# Altium PCB Yukitora.PcbDoc (part 3 of 3)
Units mm, origin at the board's own origin, x right, y up, seen from the top; angles counter-clockwise.
Board outline 101.62 x 182.89 mm, 6 copper layers (Top Layer, Signal Layer 1, Signal Layer 2, Signal Layer 3, Signal Layer 4, Bottom Layer), stack 1.57 mm thick; 321 components, 318 nets, 1422 pads, 221 vias.
Unrouted connection lines stored in the file: 405.
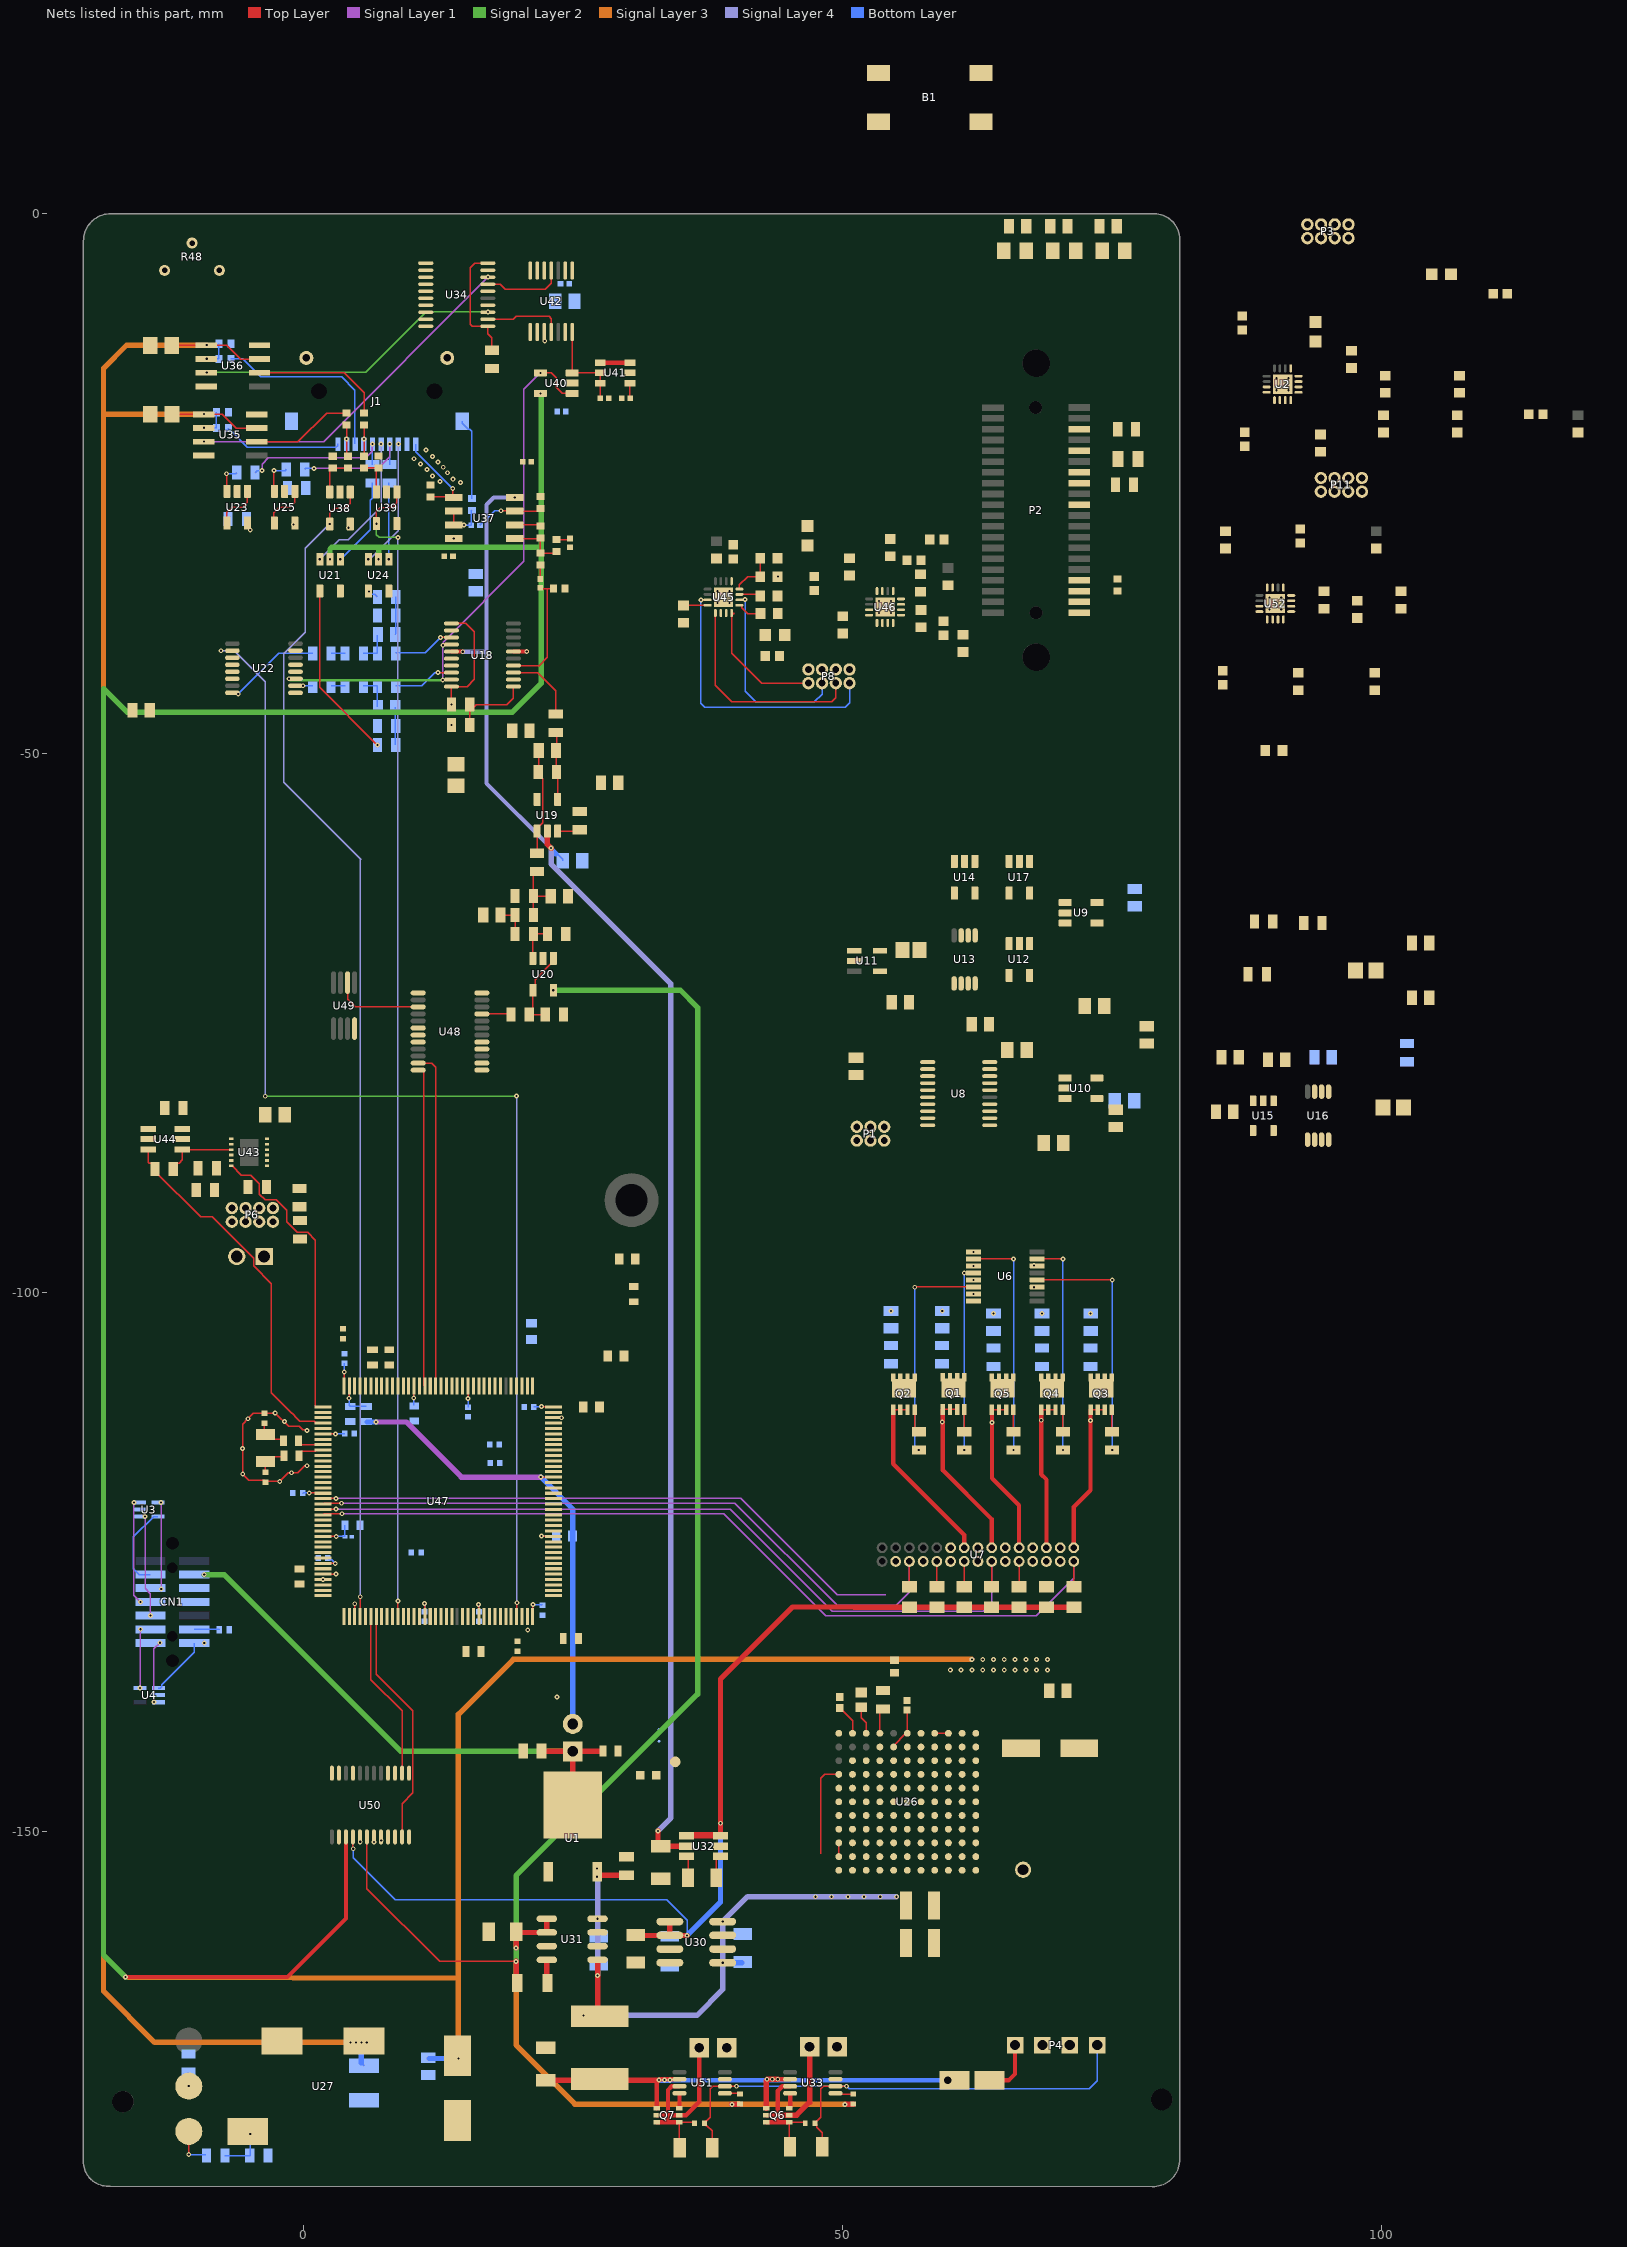
[diagram p7: the nets of this part, all layers, seen from the top]

## Via types
v1: diameter 0.45, hole 0.2, Top Layer to Bottom Layer, tented both sides, 204 vias
v2: diameter 0.5, hole 0.2, Top Layer to Bottom Layer, 16 vias
v3: diameter 1.27, hole 0.711, Top Layer to Bottom Layer, 1 vias

## Nets (pads, with @x,y where several pads share a name; then routed paths per layer and width w, separated by ;. In a path a pad name is that pad's centre, name@x,y a point inside that pad or via, vN(x,y) a via of type N, cw(c..) or ccw(c..) an arc to the next point about the centre after c; other vN are vias at no path point)
3V3: C2.2 CN1.3 JP1.1 R1.2 SB1.1 SB5.1 TP1.1 U1.4 | length 51.6
  Top Layer w0.5: C2.2@22.1,-142.5 R1.2@27.8,-142.5 ; U1.4@25,-147.5 JP1.1@25,-142.52
  Signal Layer 2 w0.5: v1(-9.165,-126.138) -7.312,-126.138 9.07,-142.52 JP1.1@25,-142.52
3V3_PER: SB2.1 SB5.2
3V3_VDD: JP1.2 R5.2 SB10.1 U47.95 | length 43.6
  Top Layer w0.12: v1(22.041,-117.1) U47.95@23.221,-117.1
  Signal Layer 1 w0.5: v1(6.775,-112) 9.575,-112 14.675,-117.1 v1(22.041,-117.1)
  Bottom Layer w0.12: R5.2@5.875,-111.95 R5.2@5.925,-112
  Bottom Layer w0.5: R5.2@5.925,-112 v1(6.775,-112) ; v1(22.041,-117.1) 25,-120.059 JP1.2@25,-139.98
5R: U50.9
"400mV Ref": C33.2 U8.12 U8.19 U11.1 U11.5
+2.5: C36.2 U12.5 U13.7 U16.7 U50.7
  other v1: 6.575,-150.925
+3.3: C73.2 C74.2 C92.1 DS6.1 DS7.1 DS8.1 P2.J2-3 P2.J2-4 R65.2 R69.2 R88.1 R90.2 R97.2 R104.2 R110.2 R115.2 R122.2 U6.1 U14.5 U17.5 U20.5 U23.5 U25.5 U31.1 U31.2 U38.5 U39.5 U43.2 U44.5 U48.16 U50.6 | length 180.4
  Top Layer w0.12: U50.6@5.925,-150.45 5.925,-155.275 12.65,-162 v1(19.75,-162) v1@19.775,-162 ; C74.2@19.775,-163.925 C74.2@19.85,-164 ; v1(50.25,-175.25) v1@50.3,-175.2
  Top Layer w0.5: C74.2@19.775,-163.925 v1@19.775,-162 ; v1@19.775,-160.75 C73.2@19.775,-159.314 ; C73.2@19.839,-159.314 U31.2@22.601,-159.314 U31.1@22.601,-158.044 ; v1(39.75,-175.25) R110.2@40.45,-175.25 ; v1@50.3,-175.25 R69.2@51,-175.25
  Signal Layer 2 w0.5: v1(19.75,-162) v1(19.75,-160.75) 19.75,-154.05 36.575,-137.225 36.575,-73.575 34.975,-71.975 v1(23.2,-71.975)
  Signal Layer 3 w0.5: v1(19.75,-162) 19.75,-169.75 25.2,-175.2 ; 25.2,-175.25 v1(39.75,-175.25) v1(50.25,-175.25)
  other v1: 62.15,-96.232 -4.9,-29.3 4.2,-29.1 -0.9,-28.8
+5: C3.1 C4.2 C30.2 C32.2 C35.2 C49.1 C69.2 C71.2 C80.2 C82.2 C90.2 C91.1 C93.1 C94.2 C97.1 C98.2 C111.1 C112.2 P6.3 R21.1 R22.2 R23.1 R24.2 R25.1 R26.2 R27.1 R33.2 R91.1 U2.6 U8.16 U9.5 U10.5 U11.4 U12.1 U12.3 U19.5 U30.1 U30.2 U32.1 U32.6 U34.16 U37.8 U41.3 U41.4 U42.3 U43.1 U45.6 U46.6 U48.7 U48.8 U50.4 U52.6 | length 114.2
  Top Layer w0.12: U50.4@4.625,-150.45 4.625,-151.525 v1(4.65,-151.55) ; C69.2@30.825,-159.55 C69.2@30.855,-159.58 ; U30.2@34,-159.6 U30.2@34,-159.58 ; 51.05,-129.15 51.075,-129.175
  Top Layer w0.4: U41.4@27.55,-13.8 U41.3@30.3,-13.8
  Top Layer w0.5: C69.2@30.855,-159.58 30.875,-159.6 34,-159.6 v1(35.6,-159.6) ; U30.2@34,-159.58 U30.1@34,-158.31 ; U32.6@38.7,-150.355 35.9,-150.355 36,-150.255 38.7,-150.255 38.7,-135.825 45.375,-129.15 51.05,-129.15 ; 51.075,-129.175 R27.1@56.21,-129.175 R25.1@61.29,-129.175 R23.1@66.37,-129.175 R21.1@71.45,-129.175
  Bottom Layer w0.12: C71.2@34,-159.675 C71.2@34.075,-159.6
  Bottom Layer w0.125: v1(4.65,-151.55) 4.65,-152.375 8.55,-156.275 33.71,-156.275 35.6,-158.165 35.6,-159.324
  Bottom Layer w0.5: C71.2@34.075,-159.6 v1(35.6,-159.6) 38.701,-156.499 v1(38.701,-149.194)
  other v1: 13.975,-30.105 22.4,-11.8
+5R: U18.4 U18.9 U22.11 U40.1 U40.4 | length 51.8
  Top Layer w0.12: v1(12.975,-40) 12.863,-39.887 U18.4@13.712,-39.887 ; v1(22,-14.75) 23.025,-14.75 23.475,-15.2 23.475,-16.075 24.05,-16.65 U40.1@24.95,-16.65
  Signal Layer 1 w0.12: v1(12.95,-43.225) 12.95,-43.136 12.962,-43.123 12.962,-40.012 v1(12.975,-40) 12.975,-39.7 20.475,-32.2 20.475,-16.275 v1(22,-14.75)
  Signal Layer 2 w0.25: v1(-1.3,-43.1) -1.175,-43.225 v1(12.95,-43.225)
+5Ref: C89.2 U40.3 U41.5 U41.6 U42.7 | length 8.7
  Top Layer w0.12: U42.7@24.964,-10.958 24.964,-14.736 U40.3@24.95,-14.75 U41.5@27.55,-14.75 U41.6@27.55,-15.7 C89.2@27.55,-17.097
+12: C54.2 C57.2 C58.2 C62.1 C64.2 C87.1 DS1.1 DS2.1 DS3.1 DS4.1 DS5.1 R59.2 U7.4 U7.8 U7.12 U7.16 U7.20 U18.16 U21.2 U24.2 U26.A1 U26.A2 U26.A3 U26.A4 U26.A5 U26.A6 U26.B1 U26.B2 U26.B3 U26.B4 U26.B5 U26.B6 U26.C1 U26.C2 U26.C3 U26.C4 U26.C5 U26.C6 U26.D1 U27.3 U40.5 U50.3 | length 359.6
  Top Layer w0.12: v1@20.736,-40.575 v1(20.738,-40.573) ; U26.D1@58.553,-140.852 U26.C1@59.823,-140.852
  Top Layer w0.4: v1(-16.45,-163.45) -1.45,-163.45 3.975,-158.025 U50.3@3.975,-150.45 ; U18.16@19.5,-40.575 v1@20.736,-40.575
  Signal Layer 2 w0.5: v1(-16.45,-163.45) -18.5,-161.4 -18.5,-44 -16.3,-46.2 19.4,-46.2 22.089,-43.511 22.089,-30.9 ; v1(2.5,-32.025) 2.5,-31.075 2.675,-30.9 7,-30.9 ; v1(7,-32.025) 7,-30.9 ; v1@22.089,-16.683 22.089,-30.9 ; 7,-30.9 22.089,-30.9
  Signal Layer 3 w0.5: v1(-16.45,-163.45) 14.4,-163.55 ; v1@14.4,-171.1 14.4,-163.55 ; v1(62,-134) 19.5,-134 14.4,-139.1 14.4,-163.55
  Bottom Layer w0.12: C64.2@11.609,-170.925 C64.2@11.684,-171
  Bottom Layer w0.5: C64.2@11.684,-171 v1(14.399,-171)
  other v1: 60,-135 61,-135 62,-135 63,-135 64,-135 65,-135 66,-135 67,-135 68,-135 69,-135 63,-134 64,-134 65,-134 66,-134 67,-134 68,-134 69,-134 64,-101.95 68.5,-101.95 73,-101.95 54.5,-101.7 59.25,-101.7 22,-16.65
-2.5: C42.2 U13.1 U15.5 U16.1 U50.8
  other v1: 7.25,-150.8
-5: C41.2 C51.1 C53.1 C75.2 C85.2 U9.2 U10.2 U15.2 U15.3 U18.5 U19.2 U32.2 U37.4 U50.5 | length 144
  Top Layer w0.12: v1@14.775,-40.575 v1(14.8,-40.6) ; C75.2@32.9,-151.05 C75.2@33.175,-151.325 C75.2@33.195,-151.305
  Top Layer w0.4: U18.5@13.75,-40.575 v1@14.775,-40.575
  Top Layer w0.5: U19.2@22.65,-57.225 22.65,-58.45 v1(23,-58.8) ; C75.2@32.9,-151.05 v1(32.9,-149.9) ; C75.2@33.195,-151.305 U32.2@35.55,-151.305
  Signal Layer 4 w0.4: v1(14.8,-40.6) 17,-40.6 ; v1(19.625,-26.295) 17.68,-26.295 17,-26.975 17,-40.6 ; v1(23,-58.8) 17,-52.8 17,-40.6
  Signal Layer 4 w0.5: v1(23,-58.8) 23,-60.275 34.1,-71.375 34.1,-93.74 34.1,-148.7 v1(32.9,-149.9)
  Bottom Layer w0.12: v1(23,-58.8) 23.063,-58.863 v1@23.063,-58.963 ; 23.418,-59.318 23.56,-59.318 24.075,-59.833 C53.1@24.075,-59.975
  Bottom Layer w0.5: v1@23.063,-58.963 23.418,-59.318
  other v1: 5.3,-150.9
AGND: C14.2 C15.1 C16.2 C17.1 C49.2 C50.1 C51.2 C52.1 C87.2 C88.2 C89.1 C90.1 C91.2 R40.1 R41.1 SB11.2 U20.2 U40.2 U41.2 U42.12 U47.31 U48.6 U49.4 U50.21 U50.23 U50.24
"Arrestment Heater FET": R20.1 U6.2 | length 21.4
  Top Layer w0.12: U6.2@62.15,-96.882 65.844,-96.882 v1(65.862,-96.9)
  Bottom Layer w0.12: v1(65.862,-114.597) v1(65.862,-96.9)
"Arrestment Htr Out": Q5.1 Q5.2 Q5.3 R19.2 U7.10 | length 15.2
  Top Layer w0.12: Q5.1@63.856,-110.864 Q5.2@64.516,-110.864 Q5.3@65.176,-110.864
  Top Layer w0.4: Q5.1@63.856,-110.864 63.856,-117.206 66.37,-119.72 U7.10@66.37,-123.653
  other v1: 63.856,-112.029
"Arrestment Htr_LED": DS5.2 R19.1
ARRESTMENT_OUT1+: P8.7 P11.1 P11.2 U46.3 U52.3
ARRESTMENT_OUT1-: P8.5 P11.3 P11.4 U46.5 U52.5
ARRESTMENT_OUT2+: P8.3 P11.5 P11.6 U46.10 U52.10
ARRESTMENT_OUT2-: P8.1 P11.7 P11.8 U46.8 U52.8
Aux+: D1.1 P4.1 | length 5.3
  Top Layer w0.4: D1.1@63.625,-173 65.428,-173 66,-172.428 P4.1@66,-169.75
BATT: U50.2
Battery_2: C78.2 P5.1 Q6.1 Q6.2 Q6.5 Q6.6 R112.2 U33.7 | length 19.9
  Top Layer w0.12: 43.93,-176.9 44,-176.83 ; C78.2@45.143,-179.187 45.05,-179.094 Q6.1@45.05,-176.9 46.45,-176.9 R112.2@46.55,-177
  Top Layer w0.4: Q6.6@42.95,-176.9 43.93,-176.9 Q6.1@45.05,-176.9 ; Q6.5@42.95,-176.25 44,-176.25 ; 44,-176.83 44,-176.25 ; U33.7@45.15,-173.575 44.425,-173.575 44,-174 44,-176.25
  Top Layer w0.5: 44,-176.25 Q6.2@45.05,-176.25 45.75,-176.25 46.96,-175.04 P5.1@46.96,-169.916
BEAM: C83.2 R81.1 U18.14 | length 11.1
  Top Layer w0.12: U18.14@19.5,-41.875 21.9,-41.875 22.65,-41.125 22.65,-34.75 ; C83.2@22,-34.65 22.1,-34.75 22.65,-34.75 ; R81.1@23.2,-34.75 22.65,-34.75
"Beam Sync Demod Out": C52.2 R33.1 R35.1 R36.2 | length 5.3
  Top Layer w0.12: R36.2@21.35,-65 R33.1@21.35,-63.25 ; R35.1@21.35,-61.325 R33.1@21.35,-63.25 ; C52.2@22.95,-63.25 R33.1@21.35,-63.25
Beam_ADC: R113.1 U48.21 | length 2.7
  Top Layer w0.12: U48.21@16.575,-74.175 19.225,-74.175 R113.1@19.275,-74.225
Beam_In: J1.10 R83.2 U37.5 | length 8.5
  Top Layer w0.12: R83.2@11.8,-26.25 U37.5@13.93,-26.25 ; v1(13.875,-25.475) 13.875,-26.195 U37.5@13.93,-26.25 ; U37.5@13.975,-26.295 U37.5@13.93,-26.25
  Bottom Layer w0.12: J1.10@10.435,-21.348 10.435,-22.035 v1(13.875,-25.475)
  other v1: 14.6,-24.9 12.7,-24.8 13.9,-24.6 12,-24.3 13.4,-24 11.5,-23.7 13,-23.5 10.9,-23.2 12.5,-23 10.3,-22.7 12,-22.5 11.4,-21.9
Beam_mod: R34.2 U18.13 | length 7.1
  Top Layer w0.12: U18.13@19.5,-42.525 21.75,-42.525 23.425,-44.2 23.425,-46.15 23.2,-46.375 R34.2@23.425,-46.375
"Blue LED": P2.J2-14 R63.2
Bluetooth_RXD: P2.J2-18 R67.1
Bluetooth_TXD: P2.J2-16 R65.1 R66.1
"Board1 Heater FET": R18.1 U6.12 | length 22.7
  Top Layer w0.12: U6.12@68.05,-98.832 v1(75.006,-98.832)
  Bottom Layer w0.12: v1(75.006,-114.597) v1(75.006,-98.832)
"Board1 Htr Out": Q3.1 Q3.2 Q3.3 R16.1 U7.2 | length 14.8
  Top Layer w0.12: Q3.1@73,-110.864 Q3.2@73.66,-110.864 Q3.3@74.32,-110.864
  Top Layer w0.4: U7.2@71.45,-123.653 71.45,-119.875 73,-118.325 Q3.1@73,-110.864
  other v1: 73,-111.847
"Board1_Htr LED": DS4.2 R16.2
BOOT0: R4.1 U47.138
"Bottom Force Plate Force": J1.4 R76.2 R86.2 | length 2.9
  Top Layer w0.12: R86.2@5.65,-22.475 v1(5.65,-20.875) R76.2@5.65,-19.575
"Bottom Force Plate Sense": J1.3 R74.2 | length 17.7
  Bottom Layer w0.12: R74.2@-6.7,-13.45 -5.575,-13.45 -3.9,-15.125 3.575,-15.125 4.8,-16.35 J1.3@4.8,-21.313
"Bottom In": U34.12 U42.4 | length 7.3
  Top Layer w0.12: U34.12@17.125,-9.775 19.475,-9.775 19.75,-9.5 22.806,-9.5 23.014,-9.708 U42.4@23.014,-10.958
"Bottom Sense Plate Force": J1.7 R54.1 R56.2 | length 11.4
  Signal Layer 1 w0.12: v1(1,-23.6) 6.97,-23.6 8.035,-22.535 v1(8.035,-21.348)
  Bottom Layer w0.12: R56.2@0.15,-23.7 0.25,-23.6 v1(1,-23.6) ; R54.1@8.035,-23.25 J1.7@8.035,-21.413
"Bottom Sense Plate Sense": J1.8 U24.3 | length 12
  Signal Layer 1 w0.12: v1(6.05,-32.025) v1@6.139,-32.025
  Signal Layer 4 w0.12: v1(6.05,-32.025) 6.175,-32.025 7.319,-30.881 8.835,-29.365 v1(8.835,-21.348)
Bottom_In: R53.1 U18.3 | length 5.8
  Top Layer w0.12: v1(12.75,-39.275) U18.3@13.75,-39.275
  Bottom Layer w0.12: R53.1@8.6,-40.75 8.65,-40.7 11.325,-40.7 v1(12.75,-39.275)
CLK+: P6.6 U43.10
CLK-: P6.8 U43.9
"Conning Tower Heater FET": R13.1 U6.4 | length 17.3
  Top Layer w0.12: v1(61.29,-98.182) U6.4@62.15,-98.182
  Bottom Layer w0.12: v1(61.29,-114.597) v1(61.29,-98.182)
"Conning Tower Htr Out": Q1.1 Q1.2 Q1.3 R12.1 U7.14 | length 16
  Top Layer w0.12: Q1.1@59.31,-110.835 Q1.2@59.97,-110.835 Q1.3@60.63,-110.835
  Top Layer w0.4: Q1.1@59.31,-110.835 59.31,-116.46 63.83,-120.98 U7.14@63.83,-123.653
  other v1: 59.246,-111.984
"Conning Tower Htr_LED": DS2.2 R12.2
Cross_Black: C37.1 P1.3
Cross_Blue: P1.5 U9.1 U9.4
Direction: P6.7 R91.2 R92.2
DTA+: P6.4 U43.11
DTA-: P6.2 U43.12
"Gearbox Heater FET": R14.1 U6.6 | length 20.5
  Top Layer w0.12: v1(56.7,-99.5) 56.718,-99.482 U6.6@62.15,-99.482
  Bottom Layer w0.12: 56.7,-114.55 v1(56.7,-99.5)
  other v1: 57.075,-114.6
"Gearbox Htr Out": Q2.1 Q2.2 Q2.3 R11.1 U7.18 | length 16.8
  Top Layer w0.12: Q2.1@54.7,-110.876 Q2.1@54.712,-110.864 Q2.2@55.372,-110.864 Q2.3@56.032,-110.864
  Top Layer w0.4: Q2.1@54.7,-110.876 54.7,-115.875 61.29,-122.465 U7.18@61.29,-123.653
"Gearbox Htr_LED": DS1.2 R11.2
GND: B1.3 B1.4 C1.1 C2.1 C3.2 C4.1 C5.1 C6.1 C7.2 C8.2 C9.1 C10.1 C13.1 C18.1 C19.1 C20.1 C21.1 C22.1 C23.1 C24.1 C25.1 C26.1 C27.1 C28.1 C30.1 C32.1 C33.1 C35.1 C36.1 C38.1 C39.1 C40.1 C41.1 C42.1 C43.1 C46.1 C47.1 C53.2 C54.1 C57.1 C58.1 C59.1 C60.1 C61.1 C62.2 C63.1 C64.1 C65.1 C69.1 C70.1 C72.1 C73.1 C75.1 C77.1 C79.2 C80.1 C81.1 C82.1 C85.1 C86.1 C92.2 C93.2 C94.1 C95.1 C96.2 C97.2 C98.1 C99.1 C100.2 C110.2 C111.2 C112.1 C113.1 C114.2 CN1.5 CN1.7 LD1.2 P1.1 P1.2 P2.J2-1 P2.J2-2 P4.2 P4.3 P5.2 P6.1 P7.2 P10.2 Q1.5 Q1.6 Q1.7 Q1.8 Q1.9 Q2.5 Q2.6 Q2.7 Q2.8 Q2.9 Q3.5 Q3.6 Q3.7 Q3.8 Q3.9 Q4.5 Q4.6 Q4.7 Q4.8 Q4.9 Q5.5 Q5.6 Q5.7 Q5.8 Q5.9 R2.1 R3.1 R4.2 R6.2 R48.2 R49.1 R50.1 R57.1 R58.1 R60.1 R61.1 R70.1 R73.1 R75.2 R81.2 R82.2 R83.1 R85.1 R87.1 R89.2 R92.1 R93.2 R95.2 R98.1 R100.1 R101.1 R102.1 R107.1 R108.1 R109.1 R116.1 R118.1 R119.1 R120.1 R123.1 R125.1 R126.1 R127.1 R128.2 R129.2 SB11.1 TP2.1 U1.1 U2.7 U2.17 U3.2 U4.2 U5.2 U6.8 U7.3 U7.7 U7.11 U7.15 U7.19 U7.23 U7.27 U8.1 U8.2 U8.3 U8.4 U8.5 U8.6 U8.7 U8.8 U8.9 U8.10 U8.14 U8.17 U11.2 U12.2 U13.3 U13.6 U13.8 U14.2 U15.1 U16.3 U16.6 U16.8 U17.2 U18.2 U18.6 U18.7 U18.12 U21.5 U22.5 U22.6 U22.9 U23.2 U24.5 U25.2 U26.A7 U26.A8 U26.A9 U26.A10 U26.A11 U26.B7 U26.B8 U26.B9 U26.B10 U26.B11 U26.C7 U26.C8 U26.C9 U26.C10 U26.C11 U26.D2 U26.D3 U26.D4 U26.D5 U26.D6 U26.D7 U26.D8 U26.D9 U26.D10 U26.D11 U26.E1 U26.E2 U26.E3 U26.E4 U26.E5 U26.E6 U26.E7 U26.E8 U26.E9 U26.E10 U26.E11 U26.F2 U26.F3 U26.F4 U26.F5 U26.F6 U26.F7 U26.F8 U26.F9 U26.G3 U26.G4 U26.G5 U26.G6 U26.G7 U26.G8 U26.G9 U26.H2 U26.H3 U26.H4 U26.H5 U26.H6 U26.H7 U26.H8 U26.H9 U26.J3 U26.J4 U26.J5 U26.J6 U26.J7 U26.J8 U26.J9 U26.K3 U26.K4 U26.K5 U26.K6 U26.K7 U26.K8 U26.K9 U26.L1 U26.L5 U26.L6 U26.L7 U26.L8 U27.1 U27.4 U30.3 U30.6 U30.7 U31.3 U31.6 U31.7 U32.5 U33.3 U34.1 U34.2 U34.3 U34.4 U34.5 U34.6 U34.7 U34.8 U34.9 U34.10 U34.14 U34.19 U35.4 U35.8 U36.4 U36.8 U38.2 U39.2 U42.1 U42.6 U43.8 U44.2 U44.4 U45.7 U45.17 U46.7 U46.15 U46.16 U46.17 U47.16 U47.38 U47.51 U47.61 U47.83 U47.94 U47.107 U47.120 U47.130 U48.17 U50.15 U50.16 U51.3 U52.7 U52.15 U52.16 U52.17 | length 18.6
  Top Layer w0.12: v1(0.366,-112.775) 0.311,-112.72 -0.039,-112.72 -0.355,-112.405 -1.33,-112.405 -2.559,-111.175 -2.584,-111.2 -2.609,-111.175 -3.559,-111.175 C7.2@-3.584,-111.2 -4.609,-111.2 v1(-5.109,-111.7) -5.609,-112.2 v1(-5.609,-114.45) -5.597,-114.463 -5.597,-116.812 v1(-5.584,-116.825) -5.029,-117.38 -3.604,-117.38 -3.484,-117.5 v1(-2.159,-117.5) -1.359,-116.7 v1(-1.075,-116.7) -0.484,-116.7 0.166,-116.05 v1(0.379,-116.05)
  other v1: -1.725,-111.95 -2.584,-111.175
  other v2: 53.401,-37.002 54.501,-37.002 89.575,-36.675 90.675,-36.675 38.425,-36.085 39.525,-36.085 53.401,-35.902 54.501,-35.902 89.575,-35.575 90.675,-35.575 38.425,-34.985 39.525,-34.985 90.25,-16.35 91.35,-16.35 90.25,-15.25 91.35,-15.25
GNDDetect: CN1.11 R3.2 | length 2.3
  Bottom Layer w0.12: CN1.11@-10.083,-131.215 -7.77,-131.215 R3.2@-7.75,-131.235
"Green LED": P2.J2-13 R64.2
Guard: J1.9 J1.11 J1.12 J1.13 J1.14 R78.2 | length 7.6
  Bottom Layer w0.12: J1.12@14.74,-19.238 14.74,-19.405 15.305,-19.97 15.472,-19.97 15.65,-20.148 R78.2@15.65,-26.4
IOREF: SB1.2 SB2.2 SB3.2
Long_Black: C45.1 P1.4
Long_Blue: P1.6 U10.1 U10.4
"Meter Heater FET": R17.1 U6.15 | length 20.1
  Top Layer w0.12: U6.15@68.05,-96.882 v1(70.434,-96.882)
  Bottom Layer w0.12: v1(70.434,-114.597) v1(70.434,-96.882)
Meter_Htr_LED: DS3.2 R15.1
Meter_Htr_Out: Q4.1 Q4.2 Q4.3 R15.2 U7.6 | length 14.3
  Top Layer w0.12: Q4.1@68.428,-110.864 Q4.2@69.088,-110.864 Q4.3@69.748,-110.864
  Top Layer w0.4: Q4.1@68.428,-110.864 68.428,-116.853 68.91,-117.335 U7.6@68.91,-123.653
  other v1: 68.428,-111.831
NetC29_1: C29.1 U8.18
NetC29_2: C29.2 U9.3
NetC31_1: C31.1 U8.13
NetC31_2: C31.2 U10.3
NetC34_2: C34.2 C40.2 R28.1 R29.2
NetC37_2: C37.2 U13.2
NetC38_2: C38.2 U12.4
NetC39_2: C39.2 R28.2 U13.5
NetC43_2: C43.2 U15.4
NetC44_2: C44.2 C47.2 R30.1 R31.2
NetC45_2: C45.2 U16.2
NetC46_2: C46.2 R30.2 U16.5
NetC48_1: C48.1 R32.2 R34.1 U19.4 | length 6.1
  Top Layer w0.12: R34.1@23.425,-48.075 23.5,-48.075 23.5,-49.7 C48.1@23.45,-49.75 23.45,-51.75 23.6,-51.9 U19.4@23.6,-53.975
NetC48_2: C48.2 R32.1 R35.2 U19.1 | length 9.9
  Top Layer w0.12: R35.2@21.7,-59.275 21.7,-56.95 22.205,-56.445 22.205,-52.38 21.8,-51.975 R32.1@21.8,-51.75 ; R32.1@21.85,-51.7 C48.2@21.85,-49.75
NetC50_2: C50.2 R36.1 R38.2 | length 3.1
  Top Layer w0.12: C50.2@18.3,-65 R36.1@19.65,-65 R38.2@19.65,-66.75
NetC55_1: C55.1 R46.2 R49.2 | length 3.4
  Bottom Layer w0.12: R46.2@8.55,-49.2 C55.1@8.55,-45.75
NetC55_2: C55.2 R42.1 R44.2 | length 3.5
  Bottom Layer w0.12: R44.2@5.85,-43.75 R44.2@5.6,-43.75 R42.1@6.9,-43.75 C55.2@6.9,-45.7
NetC56_1: C56.1 R55.2 R57.2 | length 3.5
  Bottom Layer w0.12: C56.1@8.55,-39 8.6,-38.95 R57.2@8.6,-37.25 R55.2@8.6,-35.5
NetC56_2: C56.2 R52.1 R53.2 | length 3
  Bottom Layer w0.12: R52.1@5.6,-40.75 R53.2@6.9,-40.75 C56.2@6.9,-39.05
NetC61_2: C61.2 U26.K1 | length 2.8
  Top Layer w0.12: C61.2@49.75,-138.5 50.933,-139.683 U26.K1@50.933,-140.852
NetC63_2: C63.2 U26.F1 U26.G2 | length 4
  Top Layer w0.12: U26.G2@54.743,-142.122 54.743,-141.984 55.875,-140.852 U26.F1@56.013,-140.852 56.013,-138.703 C63.2@56,-138.69
NetC71_1: C71.1 U30.4
NetC74_1: C74.1 U31.4 | length 2.1
  Top Layer w0.5: C74.1@22.601,-163.951 U31.4@22.601,-161.854
NetC76_1: C76.1 U32.3 | length 2.1
  Top Layer w0.12: U32.3@35.55,-152.255 35.7,-152.405 C76.1@35.7,-154.25
NetC76_2: C76.2 U32.4 | length 2.2
  Top Layer w0.12: C76.2@38.3,-154.25 38.3,-152.545 38.59,-152.255 U32.4@38.7,-152.255
NetC83_1: C83.1 R79.1 | length 1.3
  Top Layer w0.12: C83.1@22,-33.85 R79.1@22,-32.55
NetC84_1: C84.1 R78.1 U37.6 U37.7 | length 4.3
  Top Layer w0.12: U37.6@13.975,-27.565 U37.7@13.975,-28.835 13.99,-28.85 v1(14.925,-28.85)
  Bottom Layer w0.12: v1(14.925,-28.85) 14.95,-28.875 C84.1@15.6,-28.875 15.6,-27.55 R78.1@15.65,-27.5
NetC84_2: C84.2 R82.1 U37.3 | length 5.9
  Top Layer w0.12: v1(18.35,-27.525) 19.585,-27.525 U37.3@19.625,-27.565 R82.1@21.735,-27.565
  Bottom Layer w0.12: C84.2@16.4,-28.875 17.75,-27.525 v1(18.35,-27.525)
NetC86_2: C86.2 R80.2 | length 1.1
  Top Layer w0.12: R80.2@23.5,-30.2 C86.2@24.65,-30.2
NetC88_1: C88.1 U41.1 | length 1.4
  Top Layer w0.12: U41.1@30.3,-15.7 30.3,-17.069 C88.1@30.339,-17.108
NetC96_1: C96.1 R99.1
  other v1: 44.024,-33.636
NetC100_1: C100.1 R106.1
NetC109_2: C109.2 P10.1 Q7.1 Q7.2 Q7.5 Q7.6 R111.2 U51.7 | length 19.6
  Top Layer w0.12: C109.2@34.913,-179.271 34.875,-179.233 Q7.1@34.875,-176.9 36.2,-176.9 R111.2@36.3,-177